# Altium PCB jetson-nano-0928-12.PcbDoc (part 2 of 6)
Units mil, origin at the board's own origin, x right, y up, seen from the top; angles counter-clockwise.
Board outline 3946.89 x 2559.58 mil, 6 copper layers (TOP, L2_GND, L3_PWR, L4_SIG, L5_GND, BOTTOM), stack 47.2 mil thick; 344 components, 315 nets, 1402 pads, 1004 vias.
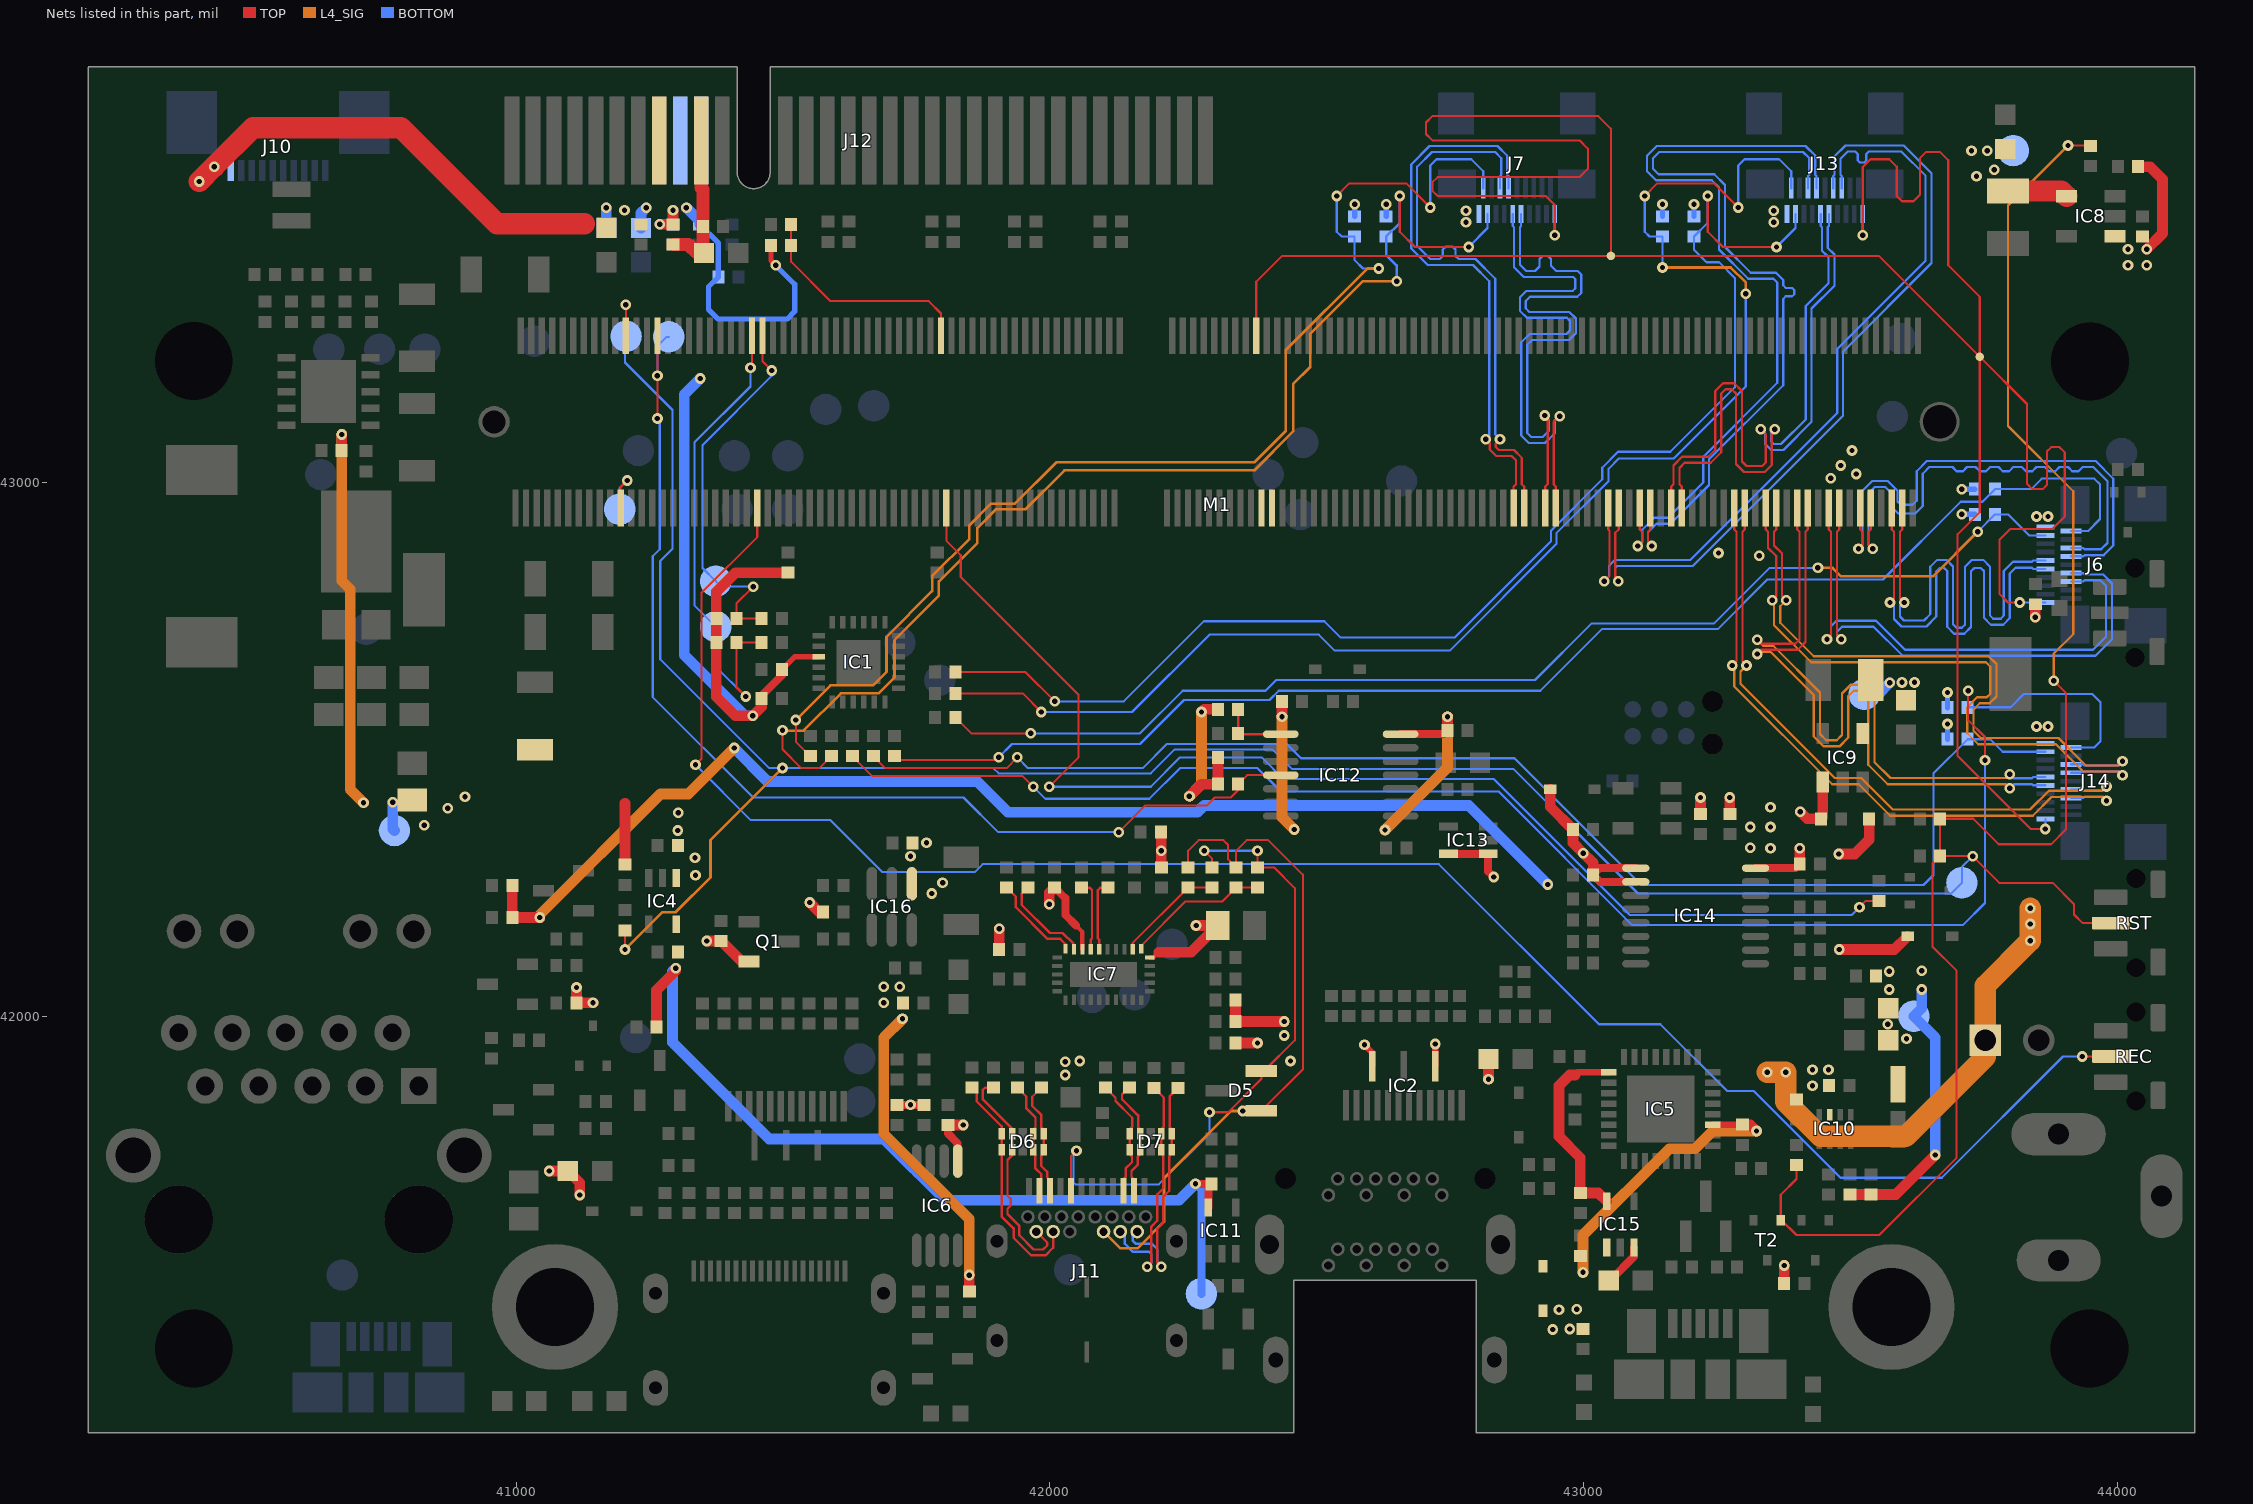
[diagram p6: the nets of this part, all layers, seen from the top]

## Part data
BAT1: library part battery, "Rechargeable Battery, Coin Cell, Single Cell, 3 V, Lithium Manganese Dioxide, 5.5 mAh, Button Cell"
BOOT LED1 PWR USER: library part LED, "LED Green 0603 case"
C1 C2 C3 C4 C55 C57 C62: library part C_4u7_0402, "MLCC SMT Capacitor 4.7uF 0402"
C5 C6 C7 C8 C9 C12 C19 C20 C26 C27 C30 C33 C36 C39 C40 C42 C43 C44 C45 C46 C48 C50 C53 C54 C71 C72 C73 C74 C75 C76 C77 C78 C79 C80 C81 C83 C84 C86 C87 C88 C89 C90 C92 C94 C95 C96: library part C_100n_0402, "MLCC SMT Capacitor 100n 0402"
C10 C11 C31: library part C_100u_1206, "MLCC SMT Capacitor 100uF 1206"
C13 C24: library part C_10n_0402, "MLCC SMT Capacitor 10 nF 0402"
C14: library part C_100p_0805, "MLCC SMT Capacitor 100pF 0805"
C15 C29 C64: library part C_47p_0402, "MLCC SMT Capacitor 47pF 0402"
C16 C17 C18 C34: library part C_47u_0805, "MLCC SMT Capacitor 47uF 0805"
C21 C22 C23: library part C_2u2_1206, "MLCC SMT Capacitor 2.2uF 1206"
C25: library part C_4n7_0402, "MLCC SMT Capacitor 4.7 nF 0402"
C28 C32 C66: library part C_1u_0402, "MLCC SMT Capacitor 1uF 0402"
C35 C47 C56 C58 C60 C63 C82 C85 C91 C93: library part C_10u_0603, "MLCC SMT Capacitor 10uF 0603"
C41: library part C_47n_0402, "MLCC SMT Capacitor 47nF 0402"
C59 C65 C67: library part C_2u2_0402, "MLCC SMT Capacitor 2.2uF 0402"
C61: library part C_100p_0402, "MLCC SMT Capacitor 100pF 0402"
D1: library part "Diode Schottky", "DIODE SCHOTTKY 60V 7A POWERDI5"
D2 D4 D13 D14 D17: library part diode, "Diode small signal"
D3 D5 D8 D9 D10 D11 D12: "DIODE, SCHOTTKY, 30V, 200MA, SOT-23"
D6 D7: "ESD Suppressors 4-CH"
D15: "Diode small signal"
F1: library part Fuse, "PTC RESET 6V LO RHO 1206 4.50A"
FAN: library part molex_2223-2021, "Pinhead connector with key"
IC1: library part TCA9548A, "TCA9548ARGER  I2C SWITCH W/ RESET, 8-CH, VQFN-24"
IC2 IC18: "8-Channel ESD Protection for DisplayPort and HDMI"
IC3: library part TPS54561, "IC REG BCK SPLIT RAIL ADJ 10WSON"
IC4 IC15: library part TLV700, "Voltage Regulator, 2V to 5.5V, 175mV Dropout, 1.8Vout, 200mAout"
IC5: "USB to serial UART interface"
IC6: "IC REDRIVER I2C 1CH 8TSSOP"
IC7: "IC DRP PORT CTLR USB-C 30WQFN"
IC8 IC9: library part LM3671, "DC/DC Buck Converter"
IC10: library part TPS62823, "IC REG BUCK ADJ 1A 8VSON-HR"
IC11: library part SN74LV1T125, "Buffer, 74LV1T125, 1.6 V to 5.5 V, SOT-23-5"
IC12: "2 NAND Gate, 4 channel"
IC13: library part SN74LVC1G126, "Buffer, tri-state"
IC14: "Remote 8bit I2C SMBus I/O expander w/ 2kbit EEPROM memory"
IC16: "POWER LOAD SWITCH, HIGH SIDE"
IC17: library part AT24CS01
J1: library part WE_685119136923, "CONN HDMI FEMALE R/A 19POS 2.6MM"
J2: library part miniDP, "Mini Displayport Reverse Offset"
J3: library part WE_7499111447, "LAN-Transformer WE-RJ45LAN 10/100/1000 BaseT"
J4: library part DC_SOCKET, "DC Power Connector, Jack, 4 A, 1.95 mm, PCB Mount, Through Hole"
J5 J9: library part "Micro USB B", "USB - micro B Receptacle Connector 5 Position Surface Mount, Right Angle, Horizontal"
J6 J7 J13 J14: library part HDMI-0467650301
J10: library part PCA-10, "RECEPTACLE, FPC, ZIF, SMT, 0.5MM, 10WAY, UP"
J11: library part WE_632723300011, "USB 3.1 Type C Receptacle Horizontal THR WR-COM"
J12: "PCI EXPRESS EDGE MOUNT ASSEMBLY"
L1: "Fixed Inductors WE-PDF 1064 7.2uH 7.9A 12.8mOhm"
L2 L3: "MURATA  BLM18EG221SN1D  FERRITE BEAD, 0.05OHM, 2A, 0603"
L4 L6: "INDUCTOR, 2.2 ?H, ? 30%, 1212, 90 MHz, 0.073 ohm"
L5: "FIXED IND 470NH 6.7A 15 MOHM SMD"
L7 L8 L9 L10: "FERRITE BEAD, 0.025OHM, 3A, 0603"
M1: library part jetson-nano-new-release
M2: library part jetson-nano-module
Q1: library part PMOS, "P CH, 20V, 4A"
Q2: library part NMOS_PMV16XN, "MOSFET, N CH"
R1 R2 R3 R4 R7 R8 R9 R10: library part R_5R6_0402, "RES, 5R6, 0402"
R5 R6 R11 R18 R22 R23 R24 R25 R27 R28 R29 R34 R35 R37 R55 R69 R70 R73 R81 R83 R88 R117 R118: library part R_2k_0402, "RES, 2k, 0402"
R12 R13 R15 R17 R19 R21 R39 R42 R47 R49 R56 R57 R58 R59 R60 R61 R62 R63 R64 R65 R66 R68 R71 R75 R82 R89 R91 R92 R98 R99 R103 R104 R105 R106 R107 R108 R109 R110 R120 R121 R122 R123 R124 R125 R126 R127 R129 R130 R133 R136 R137 R138: library part R_0R_0402, "RES, 0R, 0402"
R14 R43 R97 R111: library part R_470R_0402, "RES, 470R, 0402"
R16 R36 R87: library part R_1k_0402, "RES, 1k, 0402"
R20 R41: library part R_22R_0402, "RES, 22R, 0402"
R26 R30 R77 R78 R100 R101 R112 R113 R119: library part R_100k_0402, "SMT Resistor 100k 0402"
R31 R32: library part R_1M_0402, "SMT Resistor 1M 0402"
R33 R54 R72 R76 R90 R93 R94 R95 R96 R102 R131: library part R_10k_0402, "RES, 10k, 0402"
R38 R40: library part R_220R_0402, "RES, 220R, 0402"
R44 R134: library part R_243k_0402, "RES, 243k, 0402"
R45: library part R_49R9_0402, "RES, 49R9, 0402"
R46 R135: library part R_53k6_0402, "RES, 53k6, 0402"
R48: library part R_16k9_0402, "RES, 16k9, 0402"
R50 R52: library part R_10k2_0402, "RES, 10k2, 0402, 0.1%"
R51: library part R_909k_0402, "RES, 909k, 0402"
R53 R67 R84 R86: library part R_200k_0402, "RES, 200k, 0402"
R74: library part R_0R_0805, "RES, 0R, 0805"
R85: library part R_470k_0402, "SMT Resistor 470k 0402"
R132: "RES, 0R, 0402"
REC RST USR: "E-SWITCH  TL3340AF160QG  SWITCH, TACTILE SPST 50mA, SMD GULL WING"
SP1 SP2 SP3 SP4 SP5 SP6: library part SPACER, "M2.5-6mm"
T1 T2 T3 T4 T5: library part NMOS, "MOSFET, N CH, 60V, 0.2A"
TP1 TP2 TP3 TP4 TP5 TP6 TP8 TP9 TP10 TP11 TP12 TP13 TP14 TP16 TP17 TP18 TP19 TP21 TP22 TP23 TP24 TP25 TP26 TP27 TP28 TP29 TP31 TP32 TP33 TP34 TP35 TP36 TP37 TP38 TP40 TP41 TP42 TP43 TP44 TP45 TP47: "Testpad, round, 1.5mm"

## Free pads (board coordinates)
  round 15.75 smd paste-393.7 mask-393.7: ""(43051.1,43425.2) ""(43742.13,43236.22)

## Via types
v1: diameter 20, hole 10, TOP to BOTTOM, 999 vias
v2: diameter 23.62, hole 9.84, TOP to BOTTOM, 5 vias

## Nets (pads, with @x,y where several pads share a name; then routed paths per layer and width w, separated by ;. In a path a pad name is that pad's centre, name@x,y a point inside that pad or via, vN(x,y) a via of type N, cw(c..) or ccw(c..) an arc to the next point about the centre after c; other vN are vias at no path point)
1V8_DBG: C66.2 IC5.1 IC15.5 | length 377.3
  TOP w12: 42983.82,41890.47 42988.72,41895.37 IC5.1@43047.24,41895.37
  TOP w20: 42983.82,41890.47 42973.82,41890.47 42953.82,41870.47 42953.82,41775.47 42993.82,41735.47 C66.2@42993.82,41669.37 43027.63,41669.37 IC15.5@43043.23,41653.77
1V8_SYS: C5.2 C28.2 IC4.5 IC11.5 R81.1 TP47.1 | length 1669.3
  TOP w15: v1(42272.82,41686.47) C5.2@42302.78,41686.47 42296.68,41680.37 IC11.5@42296.68,41642.08
  TOP w20: R81.1@41262.72,41980.47 41262.72,42049.37 41298.82,42085.47 v1(41298.82,42090.47)
  BOTTOM w15: v1(42272.82,41686.47) 42283.82,41675.47 TP47.1@42283.82,41480.47
  BOTTOM w20: v1(41298.82,42090.47) 41292.82,42084.47 41292.82,41951.47 41473.82,41770.47 41688.82,41770.47 41803.82,41655.47 42241.82,41655.47 v1(42272.82,41686.47)
3V3_AUX: C84.2 C85.2 J12.B10 R138.1 | length 277.6
  TOP w25: R138.1@41293.82,43446.58 41322.7,43446.58 41338.8,43430.48 C85.2@41351.73,43430.48 41349.92,43432.29 C84.2@41349.92,43480.47 41349.92,43549.36 41346.42,43552.86 J12.B10@41346.42,43641.26
3V3_HDMI1: C58.2 IC9.4 J6.19 J14.19 L6.2 R18.1 R22.1 R28.1 R29.1 TP45.1 | length 162.6
  BOTTOM w10: R28.1@43681.89,42519.68 v1(43681.89,42548.03) ; R29.1@43681.89,42578.74 v1(43681.89,42607.09) ; v1(43708.66,42940.94) R18.1@43733.07,42940.94 ; v1(43708.66,42988.19) R22.1@43733.07,42988.19
  BOTTOM w20: TP45.1@43525.82,42603.47 43551.82,42603.47 v1(43573.82,42625.47)
  other v1: 43848.43,42543.31 43870.08,42543.31 43596.46,42625.98 43620.08,42625.98 43848.43,42937.01 43870.08,42937.01
3V3_HDMI2: C56.2 IC8.4 J7.19 J13.19 L4.2 R23.1 R24.1 R25.1 R27.1 TP43.1 | length 203.7
  TOP w40: L4.2@43795.12,43546.7 43895.16,43546.7 IC8.4@43904.98,43536.88
  BOTTOM w10: R24.1@42570.87,43499.21 v1(42570.87,43521.65) ; R23.1@42629.92,43499.21 v1(42629.92,43521.65) ; R27.1@43147.87,43499.21 v1(43147.87,43521.65) ; R25.1@43206.92,43499.21 v1(43206.92,43521.65)
  other v1: 42779.53,43488.19 43356.53,43488.19 42779.53,43509.84 43356.53,43509.84 43736.12,43574.48 43769.12,43586.48 43726.73,43622.48 43756.12,43622.48
3V3_SYS: C9.2 C20.2 C26.1 C33.1 C36.2 C46.2 C47.2 C60.2 C61.2 C82.2 C83.2 C91.2 C92.2 C93.2 C94.2 D15.A IC1.21 IC6.1 IC7.8 IC14.1 IC14.2 IC14.16 J10.1 J12.A09 J12.A10 J12.B08 L5.2 L10.1 R11.1 R33.1 R34.1 R35.1 R38.2 R39.2 R40.1 R53.2 R69.1 R70.1 R78.2 R88.1 R112.2 R117.1 R118.1 R119.1 R134.1 R138.2 TP41.1 | length 6681.9
  TOP w8: 42048.82,42170.47 42060.74,42158.55 IC7.8@42060.74,42125.98
  TOP w10: R78.2@41477.17,43444.88 41477.17,43416.54 v1(41486.22,43407.48) ; C9.2@41497.72,42650.47 41521.2,42673.95 IC1.21@41566.68,42673.95
  TOP w15: R39.2@41459.92,42595.47 41459.92,42601.57 41497.72,42639.37 C9.2@41497.72,42650.47 ; R11.1@41713.82,41834.36 v1(41738.82,41834.36) R88.1@41763.82,41834.36 ; C26.1@41808.82,41796.57 41808.82,41780.48 41827.21,41762.09 IC6.1@41827.21,41729.13 ; C33.1@42008.82,42241.58 42028.82,42221.58 42028.82,42190.47 42048.82,42170.47 ; IC14.2@43097.73,42252.32 43030.88,42252.32 C36.2@43017.73,42265.47 43030.17,42277.91 IC14.1@43097.73,42277.91 ; IC14.16@43322.13,42277.91 43397.36,42277.91 C20.2@43404.92,42285.47
  TOP w20: R40.1@40992.71,42245.47 R38.2@40992.72,42185.47 v1(41043.82,42185.47) ; v1(41268.82,43484.38) R138.2@41293.82,43484.38 v1(41293.82,43510.47) ; R39.2@41459.92,42595.47 41459.92,42580.47 v1(41442.92,42563.47) 41410.82,42563.47 41374.93,42599.36 R34.1@41374.93,42700.47 R35.1@41374.93,42745.47 41374.93,42795.58 41410.91,42831.56 R112.2@41508.82,42831.56 ; C26.1@41808.82,41796.57 v1(41837.72,41796.57) ; R53.2@41904.92,42125.47 v1(41904.92,42164.37) ; v1(41998.82,42210.47) 41998.82,42231.58 C33.1@42008.82,42241.58 ; R70.1@42347.73,42030.47 R69.1@42347.73,41990.47 v1(42438.82,41990.47) ; v1(42821.73,41882.56) L10.1@42821.73,41920.47 ; D15.A@42937.28,42425.47 42937.28,42393.12 R119.1@42979.93,42350.47 42979.93,42325.36 v1(42999.32,42305.97) 43017.73,42287.56 C36.2@43017.73,42265.47 ; R118.1@43218.82,42379.36 v1(43218.82,42410.47) ; R117.1@43273.82,42379.36 v1(43273.82,42410.47) ; C20.2@43404.92,42285.47 v1(43404.92,42315.47) ; C61.2@43498.82,41666.57 R134.1@43538.82,41666.57 43584.92,41666.57 v1(43658.82,41740.47)
  TOP w40: v1(40405.82,43564.47) v1(40433.82,43592.47) 40506.82,43665.47 40783.82,43665.47 40963.82,43485.47 41127.82,43485.47
  L4_SIG w20: v1(41043.82,42185.47) 41043.82,42190.47 41270.32,42416.97 41322.32,42416.97 v1(41408.32,42502.97)
  BOTTOM w10: C92.2@41343.82,43484.37 41378.74,43449.45 R33.1@41378.74,43385.83 41360.24,43367.32 41360.24,43324.8 41377.95,43307.09 41507.87,43307.09 41521.65,43320.87 41521.65,43372.05 v1(41486.22,43407.48)
  BOTTOM w20: C93.2@41168.82,43477.56 v1(41168.82,43515.47) ; C91.2@41233.82,43477.56 41233.82,43505.47 v1(41243.82,43515.47) ; v1(41318.82,43515.47) 41343.82,43490.47 C92.2@41343.82,43484.37 ; v1(41344.82,43195.47) 41314.82,43165.47 41314.82,42677.47 41428.82,42563.47 v1(41442.92,42563.47) ; v1(41408.32,42502.97) 41470.82,42440.47 41863.82,42440.47 41921.31,42382.98 42276.33,42382.98 42288.82,42395.47 42784.82,42395.47 v1(42932.82,42247.47) ; v1(43633.82,42050.47) 43633.82,42015.47 TP41.1@43618.82,42000.47 43658.82,41960.47 v1(43658.82,41740.47)
  other v1: 42028.82,41890.47 42028.82,41915.47 42055.82,41916.47 42450.82,41916.47 43604.82,41958.47 42438.82,41964.47 43569.82,41985.47 43572.82,42050.47 43572.82,42084.47 43633.82,42085.47 43328.82,42863.47 43252.82,42868.47 43462.82,43008.47 43510.82,43016.47 43481.82,43032.47 43502.82,43060.47 41202.82,43510.47
5V0_DBG: C67.2 C72.2 D17.C IC5.19 IC15.1 IC15.3 L3.2 | length 645.8
  TOP w12: IC5.19@43242.12,41796.94 43297.25,41796.94 C72.2@43297.68,41797.37
  TOP w15: L3.2@43046.73,41505.47 43049.81,41505.47 43094.41,41550.07 IC15.3@43094.41,41567.16
  TOP w20: C72.2@43297.68,41797.37 43311.92,41797.37 v1(43323.82,41785.47)
  L4_SIG w20: v1(42998.82,41520.47) 42998.82,41590.47 43160.82,41752.47 43208.82,41752.47 43241.82,41785.47 v1(43323.82,41785.47)
5V0_SYS: C32.2 C34.2 C55.2 C57.2 C59.2 C65.2 C71.2 D14.C D17.A F1.1 FAN.1 IC2.13 IC2.15 IC4.1 IC7.30 IC8.1 IC9.1 IC10.7 IC12.14 IC13.1 IC13.5 IC16.1 L9.1 Q1.2 R14.2 R16.1 R36.2 R42.1 R43.2 R47.2 R54.1 R55.1 R67.2 R71.2 R74.2 R75.2 R77.2 R84.2 R86.2 R89.2 R91.2 R92.1 R97.2 R101.2 R111.2 TP42.1 | length 4710.8
  TOP w8: IC7.30@42186.72,42110.24 42193.59,42110.24 42203.82,42120.47
  TOP w12: v1(42589.32,41946.97) 42604.04,41932.25 IC2.13@42604.04,41906.5 ; IC2.15@42722.15,41906.5 v1(42722.16,41948.47)
  TOP w15: IC12.14@42657.02,42529.1 42738.55,42529.1 C71.2@42744.92,42535.47 ; IC13.5@42746.42,42304.88 IC13.1@42821.22,42304.88 42821.22,42272.07 v1(42831.82,42261.47)
  TOP w20: R77.2@40672.72,43060.47 v1(40672.72,43090.47) ; v1(41061.82,41710.47) L9.1@41096.74,41710.47 41118.82,41688.39 v1(41118.82,41665.47) ; v1(41112.72,42054.37) R71.2@41112.72,42025.47 v1(41143.82,42025.47) ; R92.1@41203.82,42284.37 41203.82,42399.47 ; v1(41356.82,42141.57) R101.2@41383.82,42141.57 41422.32,42103.07 Q1.2@41436.42,42103.07 ; v1(41549.82,42213.47) 41567.82,42195.47 R47.2@41574.92,42195.47 ; R43.2@41848.82,41484.37 v1(41848.82,41515.47) ; 42203.82,42120.47 42264.37,42120.47 C34.2@42314.37,42170.47 v1(42273.82,42170.47) ; R55.1@42207.72,42345.47 42208.82,42344.37 v1(42208.82,42310.47) R54.1@42208.82,42279.36 ; v1(42261.32,42412.97) 42283.82,42435.47 R86.2@42314.92,42435.47 R16.1@42314.92,42485.47 ; v1(42283.82,42570.47) 42288.82,42575.47 R84.2@42314.92,42575.47 ; R67.2@42347.71,41950.46 v1(42388.81,41950.46) ; v1(42434.92,42561.57) R36.2@42434.92,42590.47 ; C71.2@42744.92,42535.47 v1(42744.92,42561.57) ; R97.2@43375.78,41499.47 v1(43375.78,41533.51) ; v1(43405.82,42383.47) 43418.82,42370.47 C57.2@43444.92,42370.47 43448.14,42373.69 IC9.1@43448.14,42439.34 ; v1(43477.82,42304.47) 43507.82,42304.47 43534.92,42331.57 R91.2@43534.92,42370.47 ; v1(43478.82,42125.47) 43582.28,42125.47 D14.C@43607.28,42150.47 ; v1(43846.46,42748.03) R111.2@43846.46,42772.44 ; R89.2@44039.03,43592.48 44061.06,43592.48 44084.65,43568.9 44084.65,43467.01 v1(44055.12,43437.48)
  L4_SIG w20: v1(40672.72,43090.47) 40672.72,42816.57 40688.82,42800.47 40688.82,42425.47 v1(40713.82,42400.47) ; v1(41723.82,41995.47) 41688.82,41960.47 41688.82,41780.47 41848.82,41620.47 v1(41848.82,41515.47) ; v1(42261.32,42412.97) 42283.82,42435.47 v1(42283.82,42570.47) ; v1(42434.92,42561.57) 42434.92,42373.37 v1(42457.82,42350.47) ; v1(42627.82,42349.47) 42744.92,42466.57 v1(42744.92,42561.57)
  L4_SIG w40: v1(43343.82,41895.47) v1(43378.82,41895.47) 43378.82,41840.47 43443.82,41775.47 43603.82,41775.47 43752.75,41924.4 FAN.1@43752.75,41955.28 43752.75,42057.87 v1(43836.61,42141.73) v1(43836.61,42202.76)
  BOTTOM w20: v1(40768.82,42401.47) 40768.82,42351.47 TP42.1@40771.82,42348.47
  other v1: 42941.82,41413.47 42973.82,41414.47 42953.82,41450.47 42986.82,41451.47 43428.82,41870.47 43428.82,41900.47 43458.82,41900.47 41688.82,42025.47 41688.82,42055.47 41718.82,42055.47 43836.61,42173.23 41778.82,42230.47 41798.82,42250.47 41335.82,42264.47 41334.82,42297.47 41738.82,42300.47 43350,42315 43312,42316 41768.82,42325.47 41302.82,42348.47 43312,42355 43350,42355 40827.82,42358.47 41303.82,42381.47 40871.82,42390.47 43350,42392 40903.82,42411.47 44020.12,43407.48 44055.12,43407.48 44020.12,43437.48
#MOD_SLEEP: M1.178 R95.2 | length 2358.6
  TOP w4: M1.178@41805.82,42952.76 41805.82,42891.47 41832.82,42864.47 41832.82,42823.47 42053.82,42602.47 42053.82,42485.47 v1(41998.82,42430.47) ; v1(43516.82,42204.47) 43528.92,42216.57 R95.2@43553.82,42216.57
  BOTTOM w4: v1(41998.82,42430.47) 42188.82,42430.47 42243.82,42485.47 42396.82,42485.47 42437.32,42444.97 42831.32,42444.97 43085.82,42190.47 43502.82,42190.47 v1(43516.82,42204.47)
#PWR_BUTTON: M1.240 TP31.1 | length 116.6
  TOP w4: M1.240@41195.59,42952.76 41195.59,42992.24 v1(41207.82,43004.47)
  BOTTOM w4: TP31.1@41193.83,42950.47 41193.83,42990.48 v1(41207.82,43004.47)
#RECOVERY: M1.214 REC.2 | length 3608
  TOP w4: v1(41335.82,42471.47) 41346.82,42482.47 41346.82,42793.47 41451.49,42898.14 M1.214@41451.49,42952.76 ; v1(43934.33,41925) REC.2@43987.76,41925
  BOTTOM w4: v1(41335.82,42471.47) 41439.32,42367.97 41588.82,42367.97 41686.32,42270.47 41858.82,42270.47 41873.82,42285.47 42728.82,42285.47 43028.82,41985.47 43143.82,41985.47 43268.82,41860.47 43318.82,41860.47 43481.32,41697.97 43671.32,41697.97 43898.35,41925 v1(43934.33,41925)
#RESET: M1.239 R76.2 R90.2 R93.2 R94.2 R96.2 RST.2 T2.1 TP29.1 TP37.1 | length 7277.2
  TOP w4: v1(41203.82,42125.47) R94.2@41203.82,42161.57 ; M1.239@41205.43,43275.59 v1(41205.43,43333.86) ; T2.1@43369.41,41617.87 43369.41,41666.06 43398.82,41695.47 R76.2@43398.82,41721.57 ; T2.1@43371.42,41617.87 43398.82,41590.47 43553.82,41590.47 43698.82,41735.47 43698.82,42085.47 43653.82,42130.47 43653.82,42286.57 R96.2@43667.72,42300.47 ; v1(43880.91,42628.94) 43903.54,42606.3 43903.54,42350.39 43875.98,42322.83 43777.56,42322.83 43729.92,42370.47 R93.2@43667.72,42370.47 R96.2@43667.72,42300.47 ; v1(43907.48,43631.89) R90.2@43949.62,43631.89 ; RST.2@43987.76,42175 43935,42175 43918.82,42191.18 43918.82,42210.47 43878.82,42250.47 43778.82,42250.47 v1(43728.82,42300.47) R96.2@43667.72,42300.47
  L4_SIG w4: v1(43880.91,42628.94) 43880.91,42680.12 43917.32,42716.54 43917.32,42984.25 43795.28,43106.3 43795.28,43519.69 v1(43907.48,43631.89)
  L4_SIG w5: v1(41203.82,42125.47) 41273.82,42195.47 41298.82,42195.47 41363.82,42260.47 41363.82,42330.47 v1(41498.82,42465.47)
  BOTTOM w4: v1(41205.43,43333.86) 41205.43,43274.86 TP29.1@41205.82,43274.47 41203.82,43272.47 41203.82,43225.47 41292.82,43136.47 41292.82,42876.47 41269.82,42853.47 41269.82,42669.47 41473.82,42465.47 v1(41498.82,42465.47) 41893.82,42465.47 41903.82,42455.47 42188.82,42455.47 42233.82,42500.47 42416.82,42500.47 42453.82,42463.47 42868.82,42463.47 43101.82,42230.47 43688.82,42230.47 TP37.1@43708.82,42250.47 43708.82,42280.47 v1(43728.82,42300.47)